# Altium PCB Archimajor.PcbDoc (part 8 of 12)
Units mm, origin at the board's own origin, x right, y up, seen from the top; angles counter-clockwise.
Board outline 190 x 140 mm, 6 copper layers (Top Layer, Top GND, Power Plane, Mid1, Bot GND, Bottom Layer), stack 1.776 mm thick; 1046 components, 682 nets, 3245 pads, 2865 vias.
Unrouted connection lines stored in the file: 97.
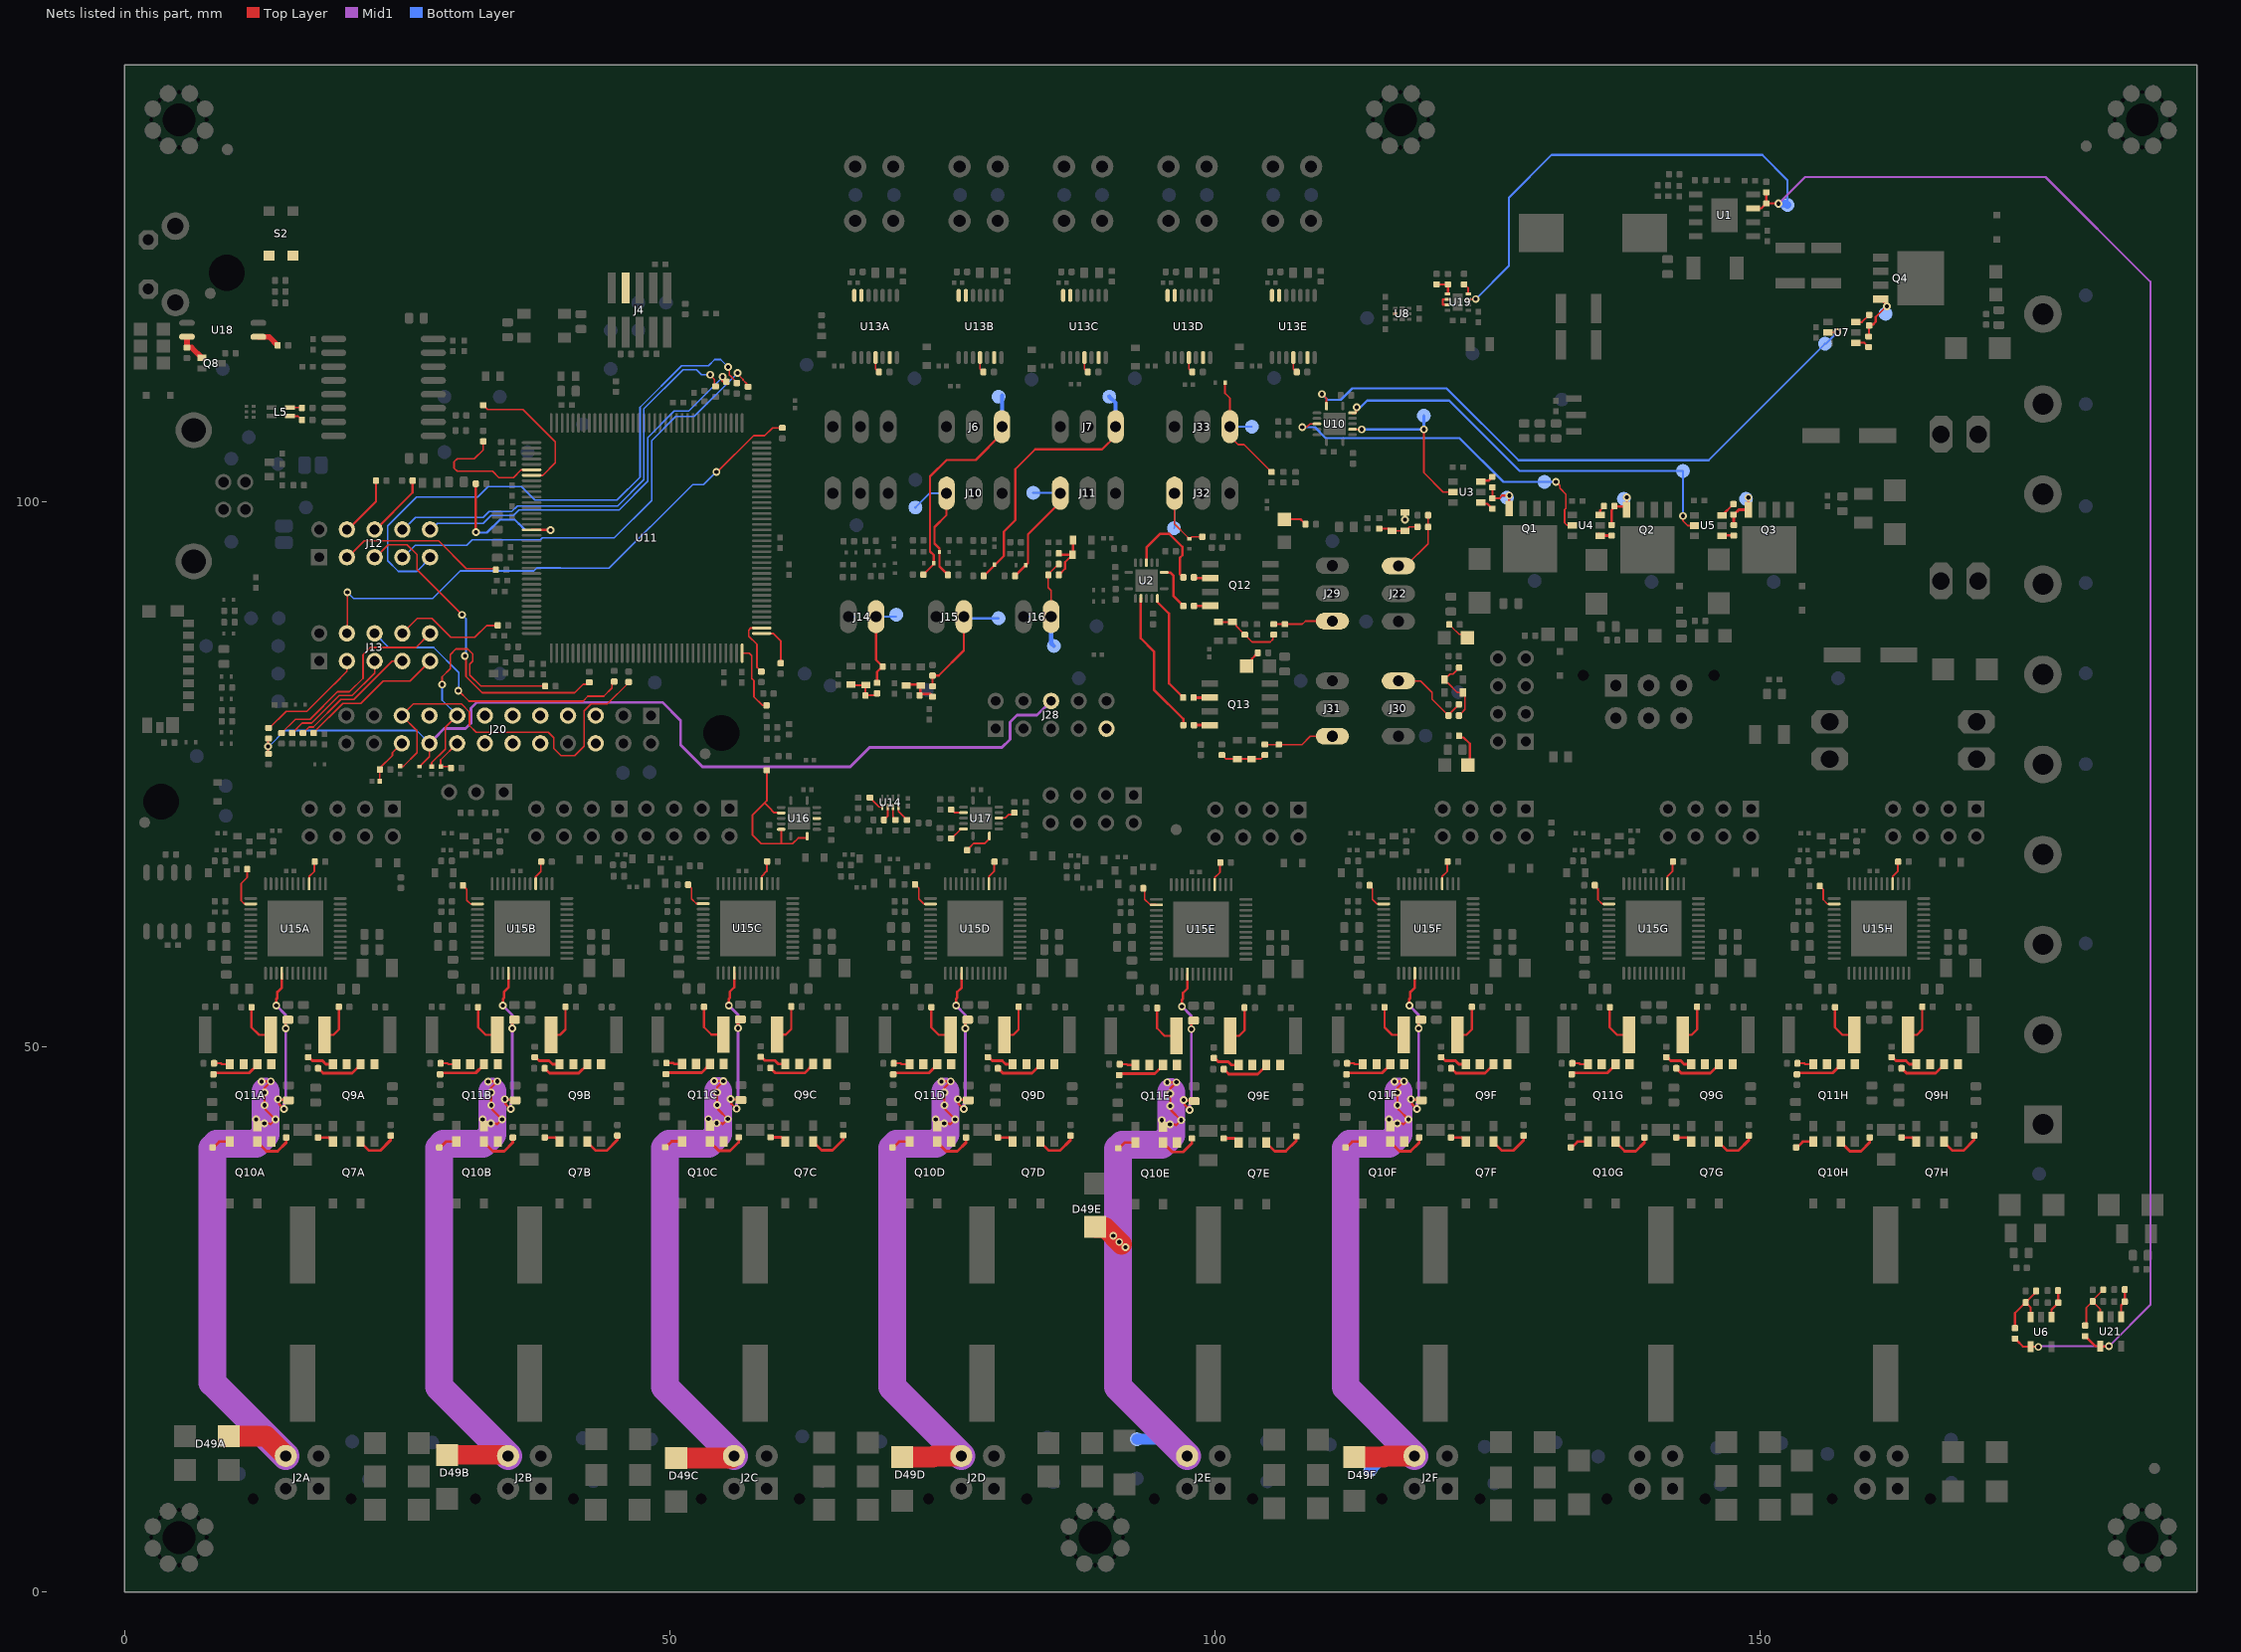
[diagram p12: the nets of this part, all layers, seen from the top]

## Via types
v1: diameter 0.711, hole 0.381, Top Layer to Bottom Layer, tented both sides, 2418 vias
v2: diameter 0.559, hole 0.254, Top Layer to Bottom Layer, 302 vias
v3: diameter 0.711, hole 0.381, Top Layer to Bottom Layer, 113 vias
v4: diameter 0.737, hole 0.381, Top Layer to Bottom Layer, tented both sides, 16 vias
v5: diameter 0.762, hole 0.381, Top Layer to Bottom Layer, 16 vias

## Nets (pads, with @x,y where several pads share a name; then routed paths per layer and width w, separated by ;. In a path a pad name is that pad's centre, name@x,y a point inside that pad or via, vN(x,y) a via of type N, cw(c..) or ccw(c..) an arc to the next point about the centre after c; other vN are vias at no path point) (continued)
NetD28_A: D28.A D29.K R44.2 R50.1 | length 3.8
  Top Layer w0.203: D28.A@66.663,83.342 66.865,83.14 D29.K@67.776,83.14 ; D29.K@67.984,83.14 D29.K@67.93,83.14 ; R50.1@69,82.391 68.834,82.226 67.93,82.226 D29.K@67.93,83.14 ; D29.K@67.776,83.14 67.93,83.294 D29.K@67.93,83.14 ; D29.K@67.776,83.14 D29.K@67.93,83.14
NetD32_C: D32.C J6.1 R72.2 TP80.1 | length 21.2
  Top Layer w0.203: R72.2@73.248,93.286 74.193,94.231 D32.C@74.193,94.334 74.193,95.084 73.865,95.413 73.865,102.289 75.38,103.804 78.055,103.804 80.454,106.204 J6.1@80.454,106.846
  Bottom Layer w0.381: J6.1@80.454,106.846 80.475,106.866 TP80.1@80.475,109.701
NetD33_C: D33.C J10.1 R74.2 TP81.1 | length 11.9
  Top Layer w0.203: J10.1@75.374,100.75 75.374,98.751 74.271,97.648 74.271,96.134 74.718,95.687 D33.C@74.718,95.359 74.718,94.038 R74.2@75.499,93.256
  Bottom Layer w0.203: TP81.1@72.517,99.441 73.826,100.75 J10.1@75.374,100.75
NetD34_C: D34.C J7.1 R76.2 TP130.1 | length 25.3
  Top Layer w0.203: R76.2@78.822,93.192 79.766,94.136 80.632,95.002 80.632,97.231 81.682,98.281 ; 81.694,98.294 81.682,98.281 ; J7.1@90.881,106.846 90.881,106.016 89.639,104.774 83.5,104.774 81.682,102.956 81.682,98.281
  Bottom Layer w0.381: TP130.1@90.297,109.601 90.875,109.023 90.875,106.852 J7.1@90.881,106.846
NetD35_C: D35.C J11.1 R79.2 TP131.1 | length 11.8
  Top Layer w0.203: R79.2@81.646,93.167 82.603,94.124 82.832,94.353 82.832,96.675 82.839,96.683 82.839,96.989 85.801,99.95 J11.1@85.801,100.75
  Bottom Layer w0.203: TP131.1@83.325,100.785 85.766,100.785 J11.1@85.8,100.751
  Bottom Layer w0.381: J11.1@85.8,100.751 J11.1@85.801,100.75
NetD36_A: D36.A D37.K R81.2 R87.1 | length 3.1
  Top Layer w0.203: D36.A@71.997,83.275 72.057,83.215 72.969,83.215 72.969,82.332 73.897,82.332 R87.1@74.069,82.16 ; R87.1@74.009,82.082 R87.1@74.011,82.08
NetD38_A: D38.A D39.K R91.2 R92.1 | length 5.1
  Top Layer w0.203: R92.1@85.662,93.256 86.241,93.835 86.241,94.415 D39.K@86.932,95.106 ; R91.2@85.665,95.231 85.79,95.106 D39.K@86.932,95.106 ; D38.A@86.957,96.456 86.957,95.131 D39.K@86.932,95.106
NetD50_A: D50.A D52.K R174.2 R175.1 | length 6.4
  Top Layer w0.152: D50.A@100.293,88.934 D52.K@101.593,88.934 101.693,88.934 101.917,88.711 101.917,88.574 102.489,88.002 102.489,87.996 102.712,87.773 R174.2@102.718,87.773 102.724,87.773 102.946,87.551 102.946,87.545 103.382,87.109 105.043,87.109 105.294,87.361 105.294,87.706 R175.1@105.368,87.779
NetD51_A: D51.A D53.K R176.2 R177.1 | length 3.8
  Top Layer w0.152: R176.2@115.043,97.502 116,97.502 D51.A@116.218,97.284 D53.K@117.393,97.284 117.493,97.284 117.717,97.508 117.717,97.57 117.806,97.659 R177.1@118.563,97.659
NetD53_A: D53.A | length 0.7
  Top Layer w0.254: v1(117.393,98.309) D53.A@117.393,98.984
NetD54_A: D54.A D56.K R186.2 R187.1 | length 4.2
  Top Layer w0.152: R186.2@100.62,76.74 100.627,76.74 100.849,76.518 100.849,76.511 100.976,76.384 D56.K@102.028,76.384 D54.A@103.331,76.384 104.195,76.384 104.347,76.536 104.347,76.542 104.547,76.742 R187.1@104.553,76.742
NetD55_A: D55.A D57.K R188.2 R189.1 | length 6.6
  Top Layer w0.152: R189.1@122.352,80.359 122.352,80.366 122.574,80.588 122.58,80.588 122.91,80.918 122.91,82.292 D55.A@122.718,82.484 122.193,82.484 121.342,83.336 121.242,83.336 121.018,83.559 D57.K@121.018,83.659 121.018,83.759 121.242,83.983 121.342,83.983 121.534,84.175 121.795,84.175 122.354,84.734 R188.2@122.354,84.759
NetD58_C: D58.C J32.1 R191.2 TP19.1 | length 9.3
  Top Layer w0.152: J32.1@96.275,100.75 96.275,97.927 97.519,96.683 97.519,96.633 97.593,96.559 D58.C@97.643,96.559 97.693,96.559 97.767,96.633 97.767,96.667 97.856,96.756 R191.2@98.823,96.756
  Bottom Layer w0.152: TP19.1@96.225,97.535 96.275,97.585 J32.1@96.275,100.75
NetD59_C: D59.C J33.1 R193.2 TP82.1 | length 12.2
  Top Layer w0.152: J33.1@101.355,106.846 101.355,105.972 102.118,105.209 102.65,105.209 104.939,102.921 104.939,102.914 105.162,102.692 R193.2@105.168,102.692
  Top Layer w0.166: D59.C@100.91,110.889 100.91,109.905 101.355,109.46 J33.1@101.355,106.846
  Bottom Layer w0.152: J33.1@101.523,106.978 J33.1@101.655,106.846
  Bottom Layer w0.203: J33.1@101.655,106.846 TP82.1@103.368,106.846
NetJ4_7: J4.7
NetJ12_3: J12.3 R137.1 | length 15.4
  Top Layer w0.152: J12.3@20.396,94.781 21.997,96.381 28.803,96.381 31.344,93.841 R137.1@34.039,93.841
NetJ12_4: J12.4 R136.2 | length 5.7
  Top Layer w0.203: J12.4@20.396,97.321 23.063,99.988 R136.2@23.063,101.893
NetJ12_5: J12.5 R135.1 | length 30.2
  Top Layer w0.152: J12.5@22.936,94.781 24.181,96.026 25.92,96.026 26.81,95.135 26.81,93.752 v1(30.963,89.599) ; v1@31.311,85.766 31.311,83.927 32.014,83.224 32.788,82.45 41.28,82.45 42.054,83.224 ; 42.122,83.224 42.054,83.224 ; R135.1@42.622,83.406 42.44,83.224 42.054,83.224
  Bottom Layer w0.152: v1(30.963,89.599) 31.312,89.25 31.311,89.248 v1@31.311,85.766
  other v1: 31.209,85.817
NetJ12_6: J12.6 R134.2 | length 6
  Top Layer w0.203: J12.6@22.936,97.321 26.416,100.801 R134.2@26.416,101.893
NetJ12_7: J12.7 R133.1 | length 42.6
  Top Layer w0.152: v1@56.21,111.681 56.718,111.173 56.718,111.129 56.998,110.85 57.175,110.672 R133.1@57.175,110.513
  Bottom Layer w0.152: J12.7@25.476,94.781 26.657,95.961 31.369,95.961 31.89,96.483 38.139,96.483 38.303,96.647 44.907,96.647 48.336,100.076 48.336,105.571 50.538,107.772 52.222,107.772 v1@56.21,111.76
  other v1: 56.21,111.786
NetJ12_8: J12.8 R120.2 | length 39.9
  Top Layer w0.152: v1(53.696,111.608) 53.696,111.697 53.638,111.64 54.102,111.176 54.102,110.478 R120.2@54.153,110.427
  Bottom Layer w0.152: J12.8@25.476,97.321 26.682,98.527 32.893,98.527 33.442,99.076 35.517,99.076 36.022,99.581 45.217,99.581 47.625,101.989 47.625,108.484 51.214,112.072 52.449,112.072 52.914,111.608 v1(53.696,111.608)
NetJ12_9: J12.9 R114.1 | length 52.8
  Top Layer w0.152: v1(55.347,112.319) 55.474,112.192 55.474,111.573 55.541,111.506 55.549,111.506 ; 55.558,111.523 55.778,111.302 55.778,111.269 56.142,110.905 56.109,110.871 56.21,110.77 56.152,110.711 R114.1@56.032,110.831
  Bottom Layer w0.152: J12.9@28.016,94.781 26.809,93.574 25.121,93.574 24.13,94.564 24.13,97.739 26.785,100.394 32.373,100.394 33.338,101.359 36.41,101.359 37.643,100.127 45.161,100.127 47.269,102.235 47.269,108.631 51.073,112.434 53.548,112.434 54.118,113.005 54.138,113.005 54.143,113.009 54.656,113.009 v1(55.347,112.319)
NetJ12_10: J12.10 R109.2 | length 35.8
  Top Layer w0.457: v1(54.839,111.43) 54.839,111.227 R109.2@55.194,110.871
  Bottom Layer w0.152: J12.10@28.016,97.321 28.689,97.993 32.887,97.993 33.614,98.721 35.664,98.721 36.17,99.226 45.364,99.226 47.981,101.842 47.981,105.85 50.411,108.28 51.74,108.28 54.839,111.379 v1(54.839,111.43)
NetJ13_3: J13.3 R145.1 | length 10.2
  Top Layer w0.152: R145.1@13.259,79.185 14.82,80.747 16.723,80.747 19.238,83.261 19.24,83.261 20.396,84.418 J13.3@20.396,85.357
NetJ13_4: J13.4 R144.2 | length 50.4
  Top Layer w0.152: J13.4@20.396,87.897 20.447,87.948 v1(20.447,91.657) ; v1(54.266,102.709) 54.36,102.709 57.683,106.033 58.709,106.033 59.418,106.742 R144.2@60.318,106.742
  Bottom Layer w0.152: v1(20.447,91.657) 21.006,91.098 28.258,91.098 30.785,93.625 37.541,93.625 37.812,93.895 39.973,93.895 40.002,93.866 44.431,93.866 52.109,101.544 53.101,101.544 v1(54.266,102.709)
NetJ13_5: J13.5 R143.1 | length 10.9
  Top Layer w0.152: R143.1@15.384,78.751 16.301,79.668 17.158,79.668 19.685,82.195 20.871,82.195 22.936,84.26 J13.5@22.936,85.357
NetJ13_6: J13.6 R142.2 | length 26.5
  Top Layer w0.152: v1@30.607,82.665 31.587,81.685 42.04,81.685 42.491,82.136 43.947,82.136 44.704,82.893 R142.2@44.704,83.478
  Bottom Layer w0.152: J13.6@22.936,87.897 24.232,86.602 28.346,86.602 30.662,84.286 30.662,82.72 v1@30.607,82.665
  other v1: 30.607,82.64
NetJ13_7: J13.7 R141.1 | length 11.8
  Top Layer w0.152: R141.1@16.366,78.751 16.927,79.312 17.311,79.312 19.837,81.839 21.018,81.839 24.536,85.357 J13.7@25.476,85.357
NetJ13_8: J13.8 R140.2 | length 10.5
  Top Layer w0.152: J13.8@25.476,87.897 26.848,89.269 28.194,89.269 29.934,87.529 32.119,87.529 33.199,88.609 R140.2@34.239,88.609
NetJ13_9: J13.9 R139.1 | length 13.6
  Top Layer w0.152: R139.1@17.498,78.751 R139.1@17.348,78.751 17.348,78.812 20.019,81.483 21.678,81.483 23.724,83.529 26.187,83.529 J13.9@28.016,85.357
NetJ13_10: J13.10 R138.2 | length 18.7
  Top Layer w0.152: R138.2@14.402,78.753 15.672,80.023 17.006,80.023 19.533,82.55 20.637,82.55 21.869,83.783 21.869,85.942 22.53,86.602 26.721,86.602 J13.10@28.016,87.897
NetJ14_2: J14.2 R50.2 R62.1 TP106.1 | length 8
  Top Layer w0.203: J14.2@68.91,89.071 68.91,85.462 69.498,84.874 69,84.375 R50.2@69,83.354
  Bottom Layer w0.203: J14.2@68.91,89.421 TP106.1@70.768,89.421
NetJ15_2: J15.2 R80.1 R87.2 TP107.1 | length 11
  Top Layer w0.203: R87.2@74.011,83.042 74.087,83.119 74.087,83.862 R80.1@74.232,84.006 ; R80.1@74.082,84.026 74.232,84.026 74.66,84.026 76.962,86.328 J15.2@76.962,89.421
  Bottom Layer w0.203: J15.2@77.076,89.281 TP107.1@80.137,89.281
NetJ16_2: J16.2 R90.1 R92.2 TP108.1 | length 8.1
  Top Layer w0.152: J16.2@84.963,89.421 84.963,91.825 84.699,92.089 R92.2@84.699,93.256 84.699,93.299 R90.1@85.657,94.256
  Bottom Layer w0.381: J16.2@84.963,89.421 84.963,86.995 TP108.1@85.217,86.741
NetJ20_5: J20.5
NetJ20_6: J20.6
NetJ20_7: J20.7
NetJ20_9: J20.9
NetJ20_10: J20.10
NetJ20_11: J20.11
NetJ20_12: J20.12
NetJ20_13: J20.13
NetJ20_14: J20.14
NetJ20_15: J20.15 R161.1 RV3.1 | length 24
  Top Layer w0.152: RV3.1@28.172,75.686 28.176,75.69 28.176,76.036 29.427,77.287 29.427,79.275 J20.15@30.505,80.354 ; v3(29.134,83.198) 29.134,83.92 29.865,84.651 29.865,85.955 30.373,86.462 31.477,86.462 31.927,86.012 31.927,85.341 31.666,85.081 31.666,84.074 32.68,83.061 R161.1@38.567,83.061
  Bottom Layer w0.152: v3(29.134,83.198) 29.134,81.77 J20.15@30.539,80.365 ; J20.15@30.53,80.355 J20.15@30.539,80.365 ; J20.15@30.555,80.348 J20.15@30.539,80.365
NetJ20_16: J20.16 R160.2 RV4.1 | length 3.8
  Top Layer w0.152: R160.2@29.942,75.567 29.936,75.567 29.816,75.686 RV4.1@28.997,75.686 28.997,76.305 J20.16@30.505,77.814 ; R160.2@30.142,75.36 R160.2@30.142,75.366
NetJ20_17: J20.17
NetJ20_19: J20.19 R159.1 RV2.1 | length 35.2
  Top Layer w0.152: RV2.1@25.272,75.711 25.572,75.711 26.81,76.95 26.81,78.969 J20.19@25.425,80.354 26.488,81.416 30.908,81.416 31.641,80.683 31.641,79.451 32.25,78.843 38.848,78.843 39.373,78.317 39.373,77.351 40.029,76.695 41.293,76.695 42.147,77.549 42.147,80.786 42.777,81.416 44.268,81.416 46.222,83.37 R159.1@46.222,83.431
NetJ20_20: J20.20 R153.2 RV1.1 | length 4.9
  Top Layer w0.152: RV1.1@23.397,74.386 23.414,74.404 R153.2@23.414,75.411 23.414,75.532 24.572,76.689 24.572,76.96 J20.20@25.174,77.562 ; J20.20@25.07,77.814 25.07,77.666 J20.20@25.174,77.562 ; J20.20@25.425,77.458 25.279,77.458 J20.20@25.174,77.562 ; J20.20@25.425,77.814 J20.20@25.174,77.562
NetJ22_3: J22.3 R173.1 R177.2 | length 6.2
  Top Layer w0.152: J22.3@116.8,94.075 117.483,94.075 119.525,96.117 R177.2@119.525,97.659 119.525,98.732 R173.1@119.523,98.734
NetJ28_9: J28.9
NetJ29_3: J29.3 R172.1 R175.2 | length 5.5
  Top Layer w0.152: R175.2@105.368,88.742 106.39,88.742 R172.1@106.393,88.739 107.998,88.739 108.278,89.02 J29.3@110.75,89.02
NetJ30_3: J30.3 R185.1 R189.2 | length 7.7
  Top Layer w0.152: J30.3@116.8,83.54 118.837,83.54 119.893,82.484 119.893,81.856 121.16,80.588 121.167,80.588 121.389,80.366 R189.2@121.389,80.359 121.57,80.541 121.57,80.603 122.123,81.156 122.129,81.156 122.352,81.378 R185.1@122.352,81.384
NetJ31_3: J31.3 R184.1 R187.2 | length 6.5
  Top Layer w0.152: R187.2@104.553,77.705 104.556,77.703 R184.1@105.831,77.703 107.961,77.703 108.718,78.46 J31.3@110.75,78.46
NetL5_1: L5.1 R46.2 | length 1.3
  Top Layer w0.152: L5.1@15.176,107.813 15.924,107.813 R46.2@16.281,107.455
NetL5_4: L5.4 R43.2 | length 1.2
  Top Layer w0.152: L5.4@15.176,108.613 16.173,108.613 R43.2@16.281,108.721
NetLED1_A: LED1.A R96.1 | length 2.1
  Top Layer w0.203: LED1.A@106.343,98.359 107.838,98.359 108.091,98.106 108.111,98.106 108.288,97.929 R96.1@108.288,97.909
NetLED2_A: LED2.A R12.1 | length 2.2
  Top Layer w0.152: R12.1@121.463,88.709 121.463,88.703 121.685,88.481 121.691,88.481 122.375,87.797 122.813,87.797 LED2.A@123.124,87.486
NetLED3_A: LED3.A R15.1 | length 1.6
  Top Layer w0.203: LED3.A@102.868,84.909 103.376,85.417 103.376,85.572 103.716,85.912 103.736,85.912 103.913,86.089 R15.1@103.913,86.109
NetLED4_A: LED4.A R14.1 | length 3.3
  Top Layer w0.203: R14.1@122.368,78.509 122.517,78.36 122.762,78.36 123.348,77.774 123.348,75.989 LED4.A@123.168,75.809
NetQ1_4: Q1.4 R52.2 R53.2 TP58.1 | length 3.9
  Top Layer w0.203: R52.2@125.417,101.292 R53.2@125.417,100.282 126.079,100.282 126.326,100.53 v3(126.965,100.53) Q1.4@126.965,99.336
NetQ2_4: Q2.4 R20.2 R55.2 TP62.1 | length 4.2
  Top Layer w0.203: R20.2@136.35,97.826 136.35,99.179 136.693,99.523 137.434,99.523 Q2.4@137.722,99.235 ; Q2.4@137.722,99.209 Q2.4@137.722,99.235 ; v3(137.728,100.369) 137.728,99.24 Q2.4@137.722,99.235
  Mid1 w0.203: v3@137.722,100.393 v3@137.722,100.428
NetQ3_4: Q3.4 R21.2 R24.2 TP64.1 | length 3.6
  Top Layer w0.254: R21.2@147.551,97.828 147.551,98.768 148.018,99.235 Q3.4@148.898,99.235 148.889,99.243 v3(148.889,100.344)
NetQ4_4: Q4.4 R25.2 R27.2 TP66.1 | length 4.6
  Top Layer w0.203: R25.2@159.944,115.073 R27.2@159.944,116.128 ; R27.2@159.956,116.128 160.032,116.204 160.305,116.204 160.566,116.465 160.566,116.907 161.619,117.961 Q4.4@161.026,118.554
  other v3: 161.59,117.895
NetQ7A_2: Q7A.2 R110A.2 | length 3.9
  Top Layer w0.254: Q7A.2@21.654,41.295 21.654,41.248 22.426,40.476 23.444,40.476 24.409,41.441 R110A.2@24.409,41.847
NetQ7A_4: Q7A.4 R111A.1 | length 1.6
  Top Layer w0.254: R111A.1@17.653,41.672 18.737,41.672 Q7A.4@19.114,41.295
NetQ7B_2: Q7B.2 R110B.2 | length 3.9
  Top Layer w0.254: Q7B.2@42.429,41.295 42.429,41.248 43.201,40.476 44.219,40.476 45.184,41.441 R110B.2@45.184,41.847
NetQ7B_4: Q7B.4 R111B.1 | length 1.6
  Top Layer w0.254: R111B.1@38.428,41.672 39.512,41.672 Q7B.4@39.889,41.295
NetQ7C_2: Q7C.2 R110C.2 | length 3.9
  Top Layer w0.254: Q7C.2@63.136,41.32 63.136,41.273 63.909,40.5 64.927,40.5 65.892,41.465 R110C.2@65.892,41.872
NetQ7C_4: Q7C.4 R111C.1 | length 1.6
  Top Layer w0.254: R111C.1@59.136,41.696 60.22,41.696 Q7C.4@60.596,41.32
NetQ7D_2: Q7D.2 R110D.2 | length 3.9
  Top Layer w0.254: Q7D.2@83.979,41.295 83.979,41.248 84.751,40.476 85.769,40.476 86.734,41.441 R110D.2@86.734,41.847
NetQ7D_4: Q7D.4 R111D.1 | length 1.6
  Top Layer w0.254: R111D.1@79.978,41.672 81.062,41.672 Q7D.4@81.439,41.295
NetQ7E_2: Q7E.2 R110E.2 | length 3.9
  Top Layer w0.254: Q7E.2@104.686,41.22 104.686,41.173 105.459,40.4 106.477,40.4 107.442,41.365 R110E.2@107.442,41.772
NetQ7E_4: Q7E.4 R111E.1 | length 1.6
  Top Layer w0.254: R111E.1@100.686,41.596 101.77,41.596 Q7E.4@102.146,41.22
NetQ7F_2: Q7F.2 R110F.2 | length 3.9
  Top Layer w0.254: Q7F.2@125.529,41.295 125.529,41.248 126.301,40.476 127.319,40.476 128.284,41.441 R110F.2@128.284,41.847
NetQ7F_4: Q7F.4 R111F.1 | length 1.6
  Top Layer w0.254: R111F.1@121.528,41.672 122.612,41.672 Q7F.4@122.989,41.295
NetQ7G_2: Q7G.2 R110G.2 | length 3.9
  Top Layer w0.254: Q7G.2@146.179,41.295 146.179,41.248 146.952,40.476 147.969,40.476 148.935,41.441 R110G.2@148.935,41.847
NetQ7G_4: Q7G.4 R111G.1 | length 1.6
  Top Layer w0.254: R111G.1@142.178,41.672 143.262,41.672 Q7G.4@143.639,41.295
NetQ7H_2: Q7H.2 R110H.2 | length 3.9
  Top Layer w0.254: Q7H.2@166.829,41.295 166.829,41.248 167.602,40.476 168.62,40.476 169.585,41.441 R110H.2@169.585,41.847
NetQ7H_4: Q7H.4 R111H.1 | length 1.6
  Top Layer w0.254: R111H.1@162.828,41.672 163.912,41.672 Q7H.4@164.289,41.295
NetQ8_1: Q8.1 R151.1 U18.4 | length 2.7
  Top Layer w0.508: U18.4@5.729,115.091 5.732,115.088 R151.1@5.732,114.102 6.164,114.102 Q8.1@7.102,113.164
NetQ9A_1: Q9A.1 Q9A.3 R116A.2 R162A.2 | length 3.6
  Top Layer w0.203: R162A.2@18.336,51.075 19.16,51.075 19.66,51.575 R116A.2@19.66,53.658
NetQ9A_2: Q9A.2 R112A.2 | length 4.5
  Top Layer w0.254: R112A.2@17.755,48.019 18.212,47.562 20.867,47.562 21.654,48.348 Q9A.2@21.654,48.395
NetQ9A_4: Q9A.4 R113A.1 | length 2.6
  Top Layer w0.254: R113A.1@16.739,48.911 17.043,48.911 17.249,48.705 18.161,48.705 18.471,48.395 Q9A.4@19.114,48.395
NetQ9B_1: Q9B.1 Q9B.3 R116B.2 R162B.2 | length 3.6
  Top Layer w0.203: R162B.2@39.111,51.075 39.935,51.075 40.435,51.575 R116B.2@40.435,53.658
NetQ9B_2: Q9B.2 R112B.2 | length 4.5
  Top Layer w0.254: R112B.2@38.53,48.019 38.987,47.562 41.642,47.562 42.429,48.348 Q9B.2@42.429,48.395
NetQ9B_4: Q9B.4 R113B.1 | length 2.6
  Top Layer w0.254: R113B.1@37.514,48.911 37.818,48.911 38.024,48.705 38.936,48.705 39.246,48.395 Q9B.4@39.889,48.395
NetQ9C_1: Q9C.1 Q9C.3 R116C.2 R162C.2 | length 3.6
  Top Layer w0.203: R162C.2@59.819,51.1 60.642,51.1 61.142,51.6 R116C.2@61.142,53.683
NetQ9C_2: Q9C.2 R112C.2 | length 4.5
  Top Layer w0.254: R112C.2@59.237,48.044 59.695,47.587 62.35,47.587 63.136,48.373 Q9C.2@63.136,48.42
NetQ9C_4: Q9C.4 R113C.1 | length 2.6
  Top Layer w0.254: R113C.1@58.221,48.935 58.526,48.935 58.732,48.73 59.644,48.73 59.954,48.42 Q9C.4@60.596,48.42
NetQ9D_1: Q9D.1 Q9D.3 R116D.2 R162D.2 | length 3.6
  Top Layer w0.203: R162D.2@80.661,51.075 81.485,51.075 81.985,51.575 R116D.2@81.985,53.658
NetQ9D_2: Q9D.2 R112D.2 | length 4.5
  Top Layer w0.254: R112D.2@80.08,48.019 80.537,47.562 83.192,47.562 83.979,48.348 Q9D.2@83.979,48.395
NetQ9D_4: Q9D.4 R113D.1 | length 2.6
  Top Layer w0.254: R113D.1@79.064,48.911 79.368,48.911 79.574,48.705 80.486,48.705 80.796,48.395 Q9D.4@81.439,48.395
NetQ9E_1: Q9E.1 Q9E.3 R116E.2 R162E.2 | length 3.6
  Top Layer w0.203: R162E.2@101.369,51 102.192,51 102.692,51.5 R116E.2@102.692,53.583
NetQ9E_2: Q9E.2 R112E.2 | length 4.5
  Top Layer w0.254: R112E.2@100.787,47.944 101.245,47.487 103.9,47.487 104.686,48.273 Q9E.2@104.686,48.32
NetQ9E_4: Q9E.4 R113E.1 | length 2.6
  Top Layer w0.254: R113E.1@99.771,48.835 100.076,48.835 100.282,48.63 101.194,48.63 101.504,48.32 Q9E.4@102.146,48.32
NetQ9F_1: Q9F.1 Q9F.3 R116F.2 R162F.2 | length 3.6
  Top Layer w0.203: R162F.2@122.211,51.075 123.035,51.075 123.535,51.575 R116F.2@123.535,53.658
NetQ9F_2: Q9F.2 R112F.2 | length 4.5
  Top Layer w0.254: R112F.2@121.63,48.019 122.087,47.562 124.742,47.562 125.529,48.348 Q9F.2@125.529,48.395
NetQ9F_4: Q9F.4 R113F.1 | length 2.6
  Top Layer w0.254: R113F.1@120.614,48.911 120.918,48.911 121.124,48.705 122.036,48.705 122.346,48.395 Q9F.4@122.989,48.395
NetQ9G_1: Q9G.1 Q9G.3 R116G.2 R162G.2 | length 3.6
  Top Layer w0.203: R162G.2@142.861,51.075 143.685,51.075 144.185,51.575 R116G.2@144.185,53.658
NetQ9G_2: Q9G.2 R112G.2 | length 4.5